# Altium PCB roach2.PcbDoc (part 20 of 39) (continued)
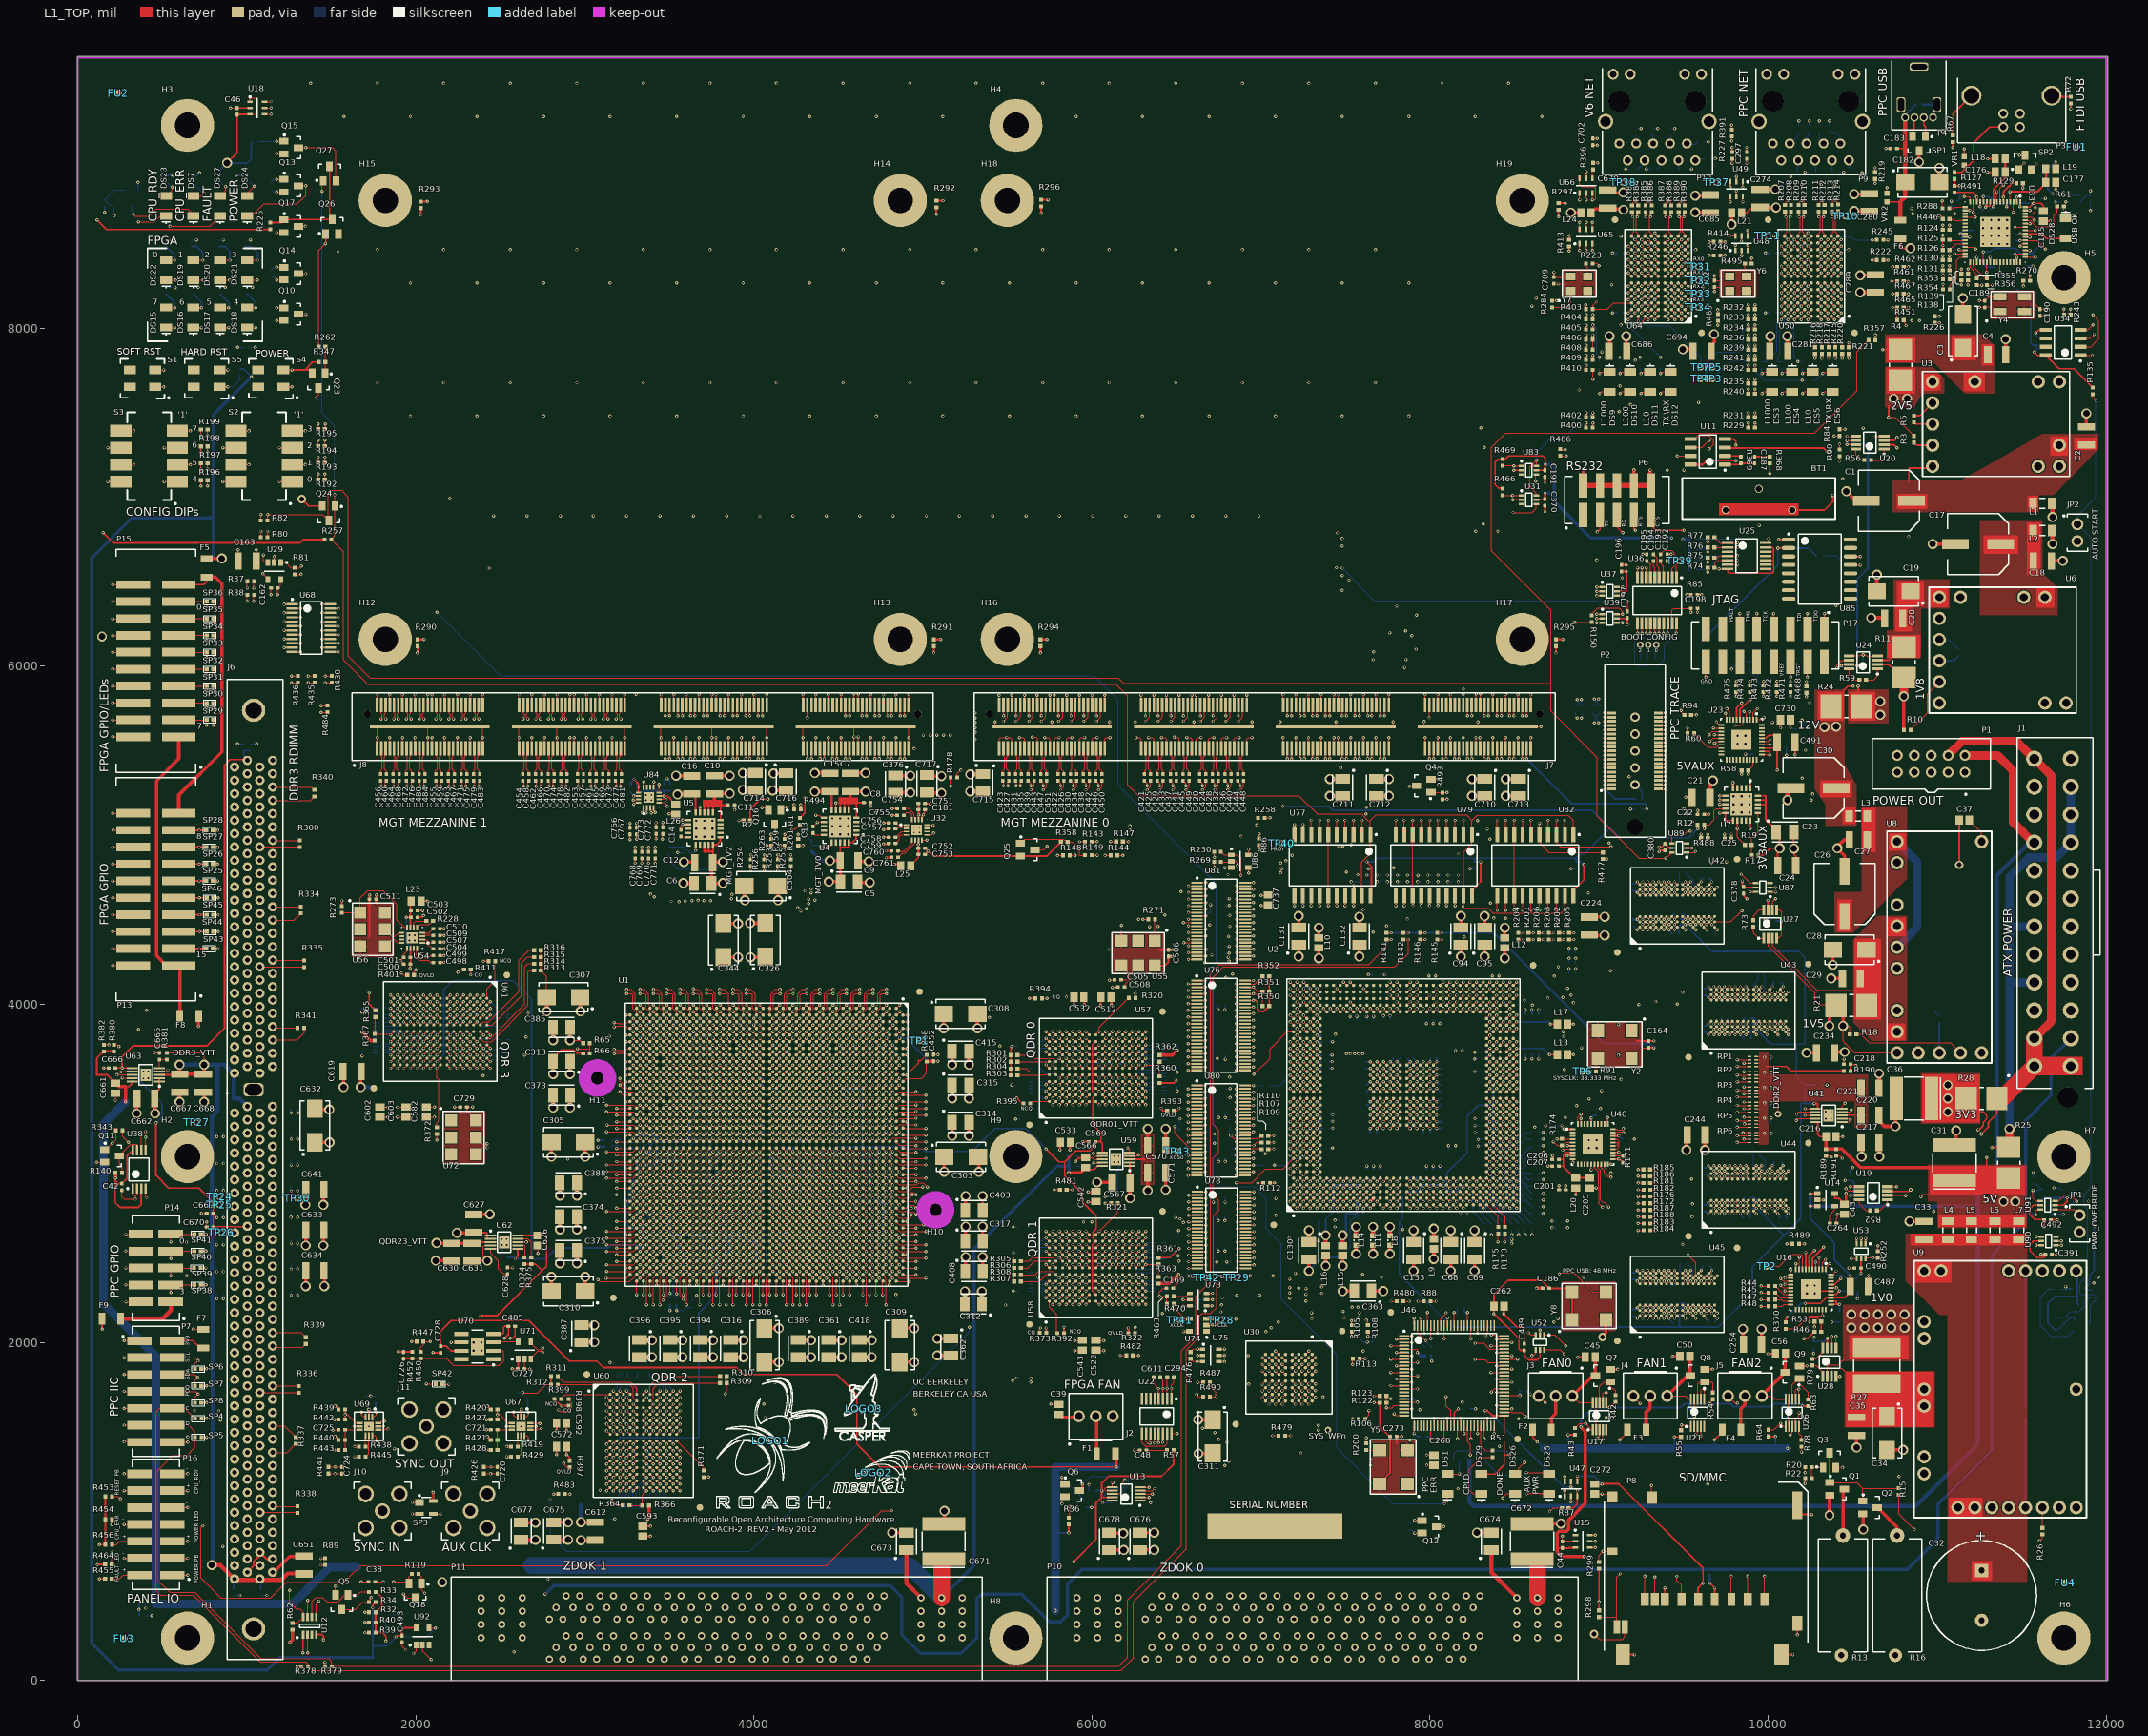
[diagram p0: L1_TOP view]
## Nets (pads, with @x,y where several pads share a name; then routed paths per layer and width w, separated by ;. In a path a pad name is that pad's centre, name@x,y a point inside that pad or via, vN(x,y) a via of type N, cw(c..) or ccw(c..) an arc to the next point about the centre after c; other vN are vias at no path point) (continued)
  L1_TOP w8: SP43.1@799.37,4330 v6(828,4330) ; SP25.1@799.37,4730 v6(828,4730) ; SP26.1@799.37,4830 v6(828,4830) ; SP27.1@799.37,4930 v6(828,4930) ; SP28.1@799.37,5030 v6(828,5030) ; SP44.1@802.37,4430 v6(831,4430) ; SP45.1@802.37,4530 v6(831,4530) ; SP46.1@802.37,4630 v6(831,4630) ; C46.1@942.99,9302.68 943.31,9302.99 U18.2@1019.68,9302.99 ; C313.2@2811.81,3662.99 2811.81,3681.89 2861.92,3732 2933,3732 2955,3710 R66.1@2990.32,3710 ; U32.13@4993.52,5093.02 4993.52,5111.52 v3(5002.99,5120.99) 5002.99,5122.99 5010.99,5130.99 5010.99,5151.31 C181.1@5012.68,5152.99 ; C753.1@5012.68,4887.99 v3(5030.99,4906.31) 5014.31,4922.99 C752.1@5012.68,4922.99 ; v2(8436.99,2168.99) 8516.3,2089.68 8556,2089.68 8557,2088.68 C489.1@8557,1991.68 ; v2(8573.13,1103.94) DS25.1@8702.99,1103.94 ; C44.1@8782.99,822.68 8783.31,822.99 U15.2@8859.68,822.99 ; U25.7@9760.79,6576.22 9760.79,6560.21 9771,6550 10024,6550 10032,6558 10032,6600 ; U25.9@9985.2,6601.81 10030.19,6601.81 10032,6600 ; U25.10@9985.2,6627.4 10031.6,6627.4 10032,6627 ; U25.12@9985.2,6678.58 10029.42,6678.58 10032,6676 ; U25.13@9985.2,6704.17 10024.83,6704.17 10032,6697 10032,6676 ; v1@11287.31,8721.31 11287.62,8720.99 11308.99,8720.99 11312.99,8724.99 U33.10@11312.99,8746.67 ; v2(11298.99,8922.99) C176.1@11343.46,8922.99 ; v2(11583,7972) 11601,7990 U34.5@11642.64,7990 ; 10032,6600 10032,6627 ; 10032,6627 10032,6676
  L1_TOP w10: v2(1267.93,7752.99) 1342.99,7752.99 ; v14(1325,6990) 1366.69,6948.31 Q24.2@1447.6,6948.31 ; Q23.2@1387.6,7733.31 1367.91,7752.99 1342.99,7752.99 ; U12.4@1411.38,271.42 1444.58,271.42 1454.65,261.35 v2(1454.65,239.33) ; R347.1@1425.32,7800 1390,7800 1342.99,7752.99 ; R273.1@1562.99,4581.68 v2(1562.99,4611.99) ; 1726.31,4398.13 C511.1@1726.31,4622.99 v3(1726.31,4647.31) v3@1726.31,4649.86 ; v2(1896,1945) 1897.32,1943.68 R452.1@1980,1943.68 ; v2@1908.99,4256.99 v2(1909.12,4256.99) ; C500.1@1928.31,4237.8 v2(1909.12,4256.99) ; C501.1@1928.31,4277.8 1928.31,4276.18 v2(1909.12,4256.99) ; C502.1@2010.68,4514.31 2034.99,4514.31 v2(2045.69,4525) ; C503.1@2010.68,4554.31 2034.99,4554.31 2035.69,4555 v2(2040.34,4555) ; v2(2103,1940) 2104.69,1938.31 C728.1@2147,1938.31 ; 2263.31,3353.31 C729.1@2263.31,3392.99 ; v2(2560,2025) 2574,2025 2587.37,2038.37 C485.1@2587.37,2096 ; R312.2@2800.31,1750 R311.2@2800.31,1800 ; v2(2832.99,1336.99) C572.1@2832.99,1382.99 ; v2(2833.46,1476.99) C592.1@2833.46,1522.99 ; v2(3290.99,5331.02) 3316.97,5305.05 U84.13@3316.97,5252.52 ; C593.1@3342.99,912.52 v2(3388.99,912.52) ; v3(4690.99,5170.99) C8.1@4690.99,5187.31 ; v3(5030.99,4906.31) 5059.7,4877.6 Q25.2@5576.69,4877.6 5733.91,4877.6 R358.1@5816.31,4960 ; C452.1@5062.99,3702.68 v2(5087.68,3702.68) v2@5087.99,3702.99 ; R303.2@5520.31,3580 R304.2@5520.31,3620 R302.2@5520.31,3660 R301.2@5520.31,3700 5520.31,3745.31 v2(5525,3750) ; v2@5900.99,3068.99 5924.52,3092.52 C566.1@5962.99,3092.52 ; 7802.68,1402.68 C273.1@7802.68,1442.99 ; v2(8436.99,2168.99) C262.1@8436.99,2200.99 ; v2@8495,6985 U31.2@8541.69,6985 ; v2(8496,7160) U83.2@8541.69,7160 ; v2(8680,6915) C370.1@8680,6950.32 ; v2(8680,7085) C191.1@8680,7120.32 ; v2(8698.99,3043.31) 8699.31,3042.99 C207.1@8722.99,3042.99 ; C206.1@8725.31,3080.99 8725.31,3104.68 v3@8725.62,3104.99 ; C201.1@8763.31,2902.99 8763.31,2926.68 v3(8763.62,2926.99) ; C205.1@8942.99,2913.46 8983.74,2913.46 v3(8983.9,2913.62) ; v2(9008.83,3382.84) v2@9008.99,3382.68 ; C679.1@9050.99,8817.14 9065.14,8802.99 v5(9142.99,8802.99) ; C196.1@9133,6599.68 9160.32,6599.68 v2(9161,6599) ; P8.SH2@9141.89,153.03 v2(9209.68,153.03) ; C197.1@9167,6324.68 v2(9167,6384) ; v2(9208.52,3203.15) v2@9208.68,3202.99 ; 9222.68,3782.68 C164.1@9292.99,3782.68 ; C164.1@9288.99,3782.99 v2(9323.99,3782.99) ; P6.10@9302.99,7073.54 P6.10@9306.14,7070.39 ; v3(9355,4905) 9360.31,4910.31 C380.1@9390,4910.31 ; P8.6@9388.94,480 v2(9388.94,547.79) ; v2(9512.53,5224.99) C21.1@9536.06,5224.99 ; U89.2@9518.31,4925 v3(9550,4925) ; v2@9654.69,575 9657,575 v2(9684.21,547.79) P8.3@9684.21,480 ; U11.4@9745.36,7344 9795.76,7344 9809.21,7330.55 v2(9809.21,7309.26) ; v2(9817.4,5039.99) U7.12@9817.4,5087.52 ; C378.1@9855,4655.31 9855,4645 v3(9875,4625) ; v2(10073.46,5635.46) C730.1@10073.46,5682.99 ; P8.SH1@10078.9,153.03 v2(10146.68,153.03) ; C23.2@10151.18,5020 10151.18,4923.62 v5(10153.54,4921.26) 10153.54,4887.54 10163.15,4877.94 C24.1@10163.15,4820 ; v2(10160.14,5476.16) C491.1@10160.14,5550 ; v2(10173.58,269.5) P8.SH3@10173.58,337.28 ; P8.SH4@10190.12,982 v2(10257.91,982) ; U16.41@10252.99,2312.99 10262.83,2303.15 U16.35@10372.09,2303.15 ; v10(10411.18,2757.99) 10411.65,2758.46 C43.1@10452.99,2758.46 ; C487.1@10593.15,2330 v2(10593.15,2395.43) ; R5.1@10862.99,7482.68 10897.68,7482.68 U3.7@10972.99,7557.99 ; v2(11093,9069.53) R67.1@11093,9101.31 ; v14(11130,4825) 11130.47,4825.47 C37.2@11130.47,5090 ; VR1.1@11160,9015.59 v2(11160,9060.38) ; v3(11488.21,9023.31) SP2.3@11520,9023.31 ; C492.1@11671.68,2725 11710,2725 v2(11711,2724) ; U91.2@11697.31,2811 11747,2811 11769.09,2833.09 v2(11769.09,2855) ; v2(11790,9298.53) R72.1@11790,9330.31
  L1_TOP w12: v2(2010,6079.06) R290.1@2010,6119.06 ; v2(2030,8670.31) R293.1@2030,8710.31 ; C631.1@2376.99,2482.09 2377.89,2482.99 v5(2422.99,2482.99) ; C751.1@5006.99,5186.99 v3(5042.99,5186.99) ; v2(5065,6079.06) R291.1@5065,6119.06 ; v2(5080,8675.31) R292.1@5080,8715.31 ; C403.2@5352.99,2801.18 v5@5352.99,2855 ; v2(5695,6079.06) R294.1@5695,6119.06 ; v2(5700,8680.31) R296.1@5700,8720.31 ; v2@5811.02,3141.23 C533.1@5811.02,3173.23 ; v2@5948.63,3187.24 C569.1@5980.63,3187.24 ; v2@5954.99,3998.99 C532.1@5954.99,4030.99 ; v2@5979.81,2889.76 C542.1@6011.81,2889.76 ; v2@6050.99,3994.99 C512.1@6050.99,4026.99 ; U55.3@6172.99,4390.99 6172.99,4426.99 ; 6401.31,4322.68 C506.1@6452.99,4322.68 ; C506.1@6460.99,4322.99 v2(6476.99,4322.99) ; v2(8745,6079.06) R295.1@8745,6119.06 ; v2(8760,8660.31) R297.1@8760,8700.31 ; v2(8873.44,1912.99) C45.1@8918.46,1912.99 ; Q7.2@9066.3,1840.39 v2(9111.32,1840.39) ; v2(9433.44,1917.99) C50.1@9478.46,1917.99 ; Q8.2@9626.3,1840.39 v2(9671.32,1840.39) ; v2(9998.44,1932.99) C56.1@10043.46,1932.99 ; Q9.2@10186.3,1860.39 v2(10231.32,1860.39) ; v1(11507.68,8830.31) R129.1@11507.68,8857.99 ; C185.1@11627.99,8633.46 v2(11669.46,8633.46) ; v2(11702.52,8820.99) C177.1@11702.52,8863.31
  L1_TOP w20: v5(349.35,3354.14) C662.1@349.35,3409.14 ; v5(603.35,3422.99) C667.1@603.35,3477.99 ; v5(748.35,3422.99) C668.1@748.35,3477.99 ; J6.239@1160,640 1252.99,732.99 C651.1@1342.99,732.99 ; C632.2@1402.4,3377.99 v5(1487.99,3377.99) ; v5(1452.99,2572.99) C633.1@1452.99,2658.58 ; v5(1453.35,2812.99) C641.1@1453.35,2898.58 ; v5(1458.35,2332.99) C634.1@1458.35,2418.58 ; v5(1572.63,3509.4) C619.1@1572.63,3594.99 ; v2(1683.31,3834.68) 1732.67,3785.31 R367.2@1757.56,3785.31 ; v5(2117.99,2482.99) C630.1@2203.58,2482.99 ; C627.1@2352.4,2757.99 v5(2437.99,2757.99) ; C677.2@2622.99,934.17 v5(2708.58,934.17) ; v5(2774.99,3958.99) C307.2@2774.99,4044.58 ; C310.2@2802.99,2302.05 v5(2802.99,2387.64) ; v5(2802.99,3098.35) C305.2@2802.99,3183.94 ; v11(2812.99,3387.99) C373.2@2812.99,3473.58 ; v11(2812.99,3587.99) C313.2@2812.99,3673.58 ; v11(2812.99,3787.99) C385.2@2812.99,3873.58 ; C675.2@2815.99,935.17 v5(2901.58,935.17) ; v11(2852.99,2467.99) C375.2@2852.99,2553.58 ; v11(2852.99,2667.99) C374.2@2852.99,2753.58 ; v11(2852.99,2867.99) C388.2@2852.99,2953.58 ; C387.2@2970.52,2101.09 v11(3056.11,2101.09) ; v5(2977.4,829.84) C612.1@3062.99,829.84 ; C396.2@3312.4,1912.99 v11(3397.99,1912.99) ; v3(3371.31,953.31) 3379.69,961.69 R366.2@3379.69,1035 ; C395.2@3502.99,1912.99 v11(3577.99,1912.99) ; v5(3539.4,5352.99) C16.1@3624.99,5352.99 ; v5@3597.06,4716.3 C6.2@3642.06,4716.3 ; v5@3598.09,4842.99 C12.1@3643.09,4842.99 ; C394.2@3672.4,1912.99 v11(3757.99,1912.99) ; C10.1@3771.4,5352.14 v5(3856.99,5352.14) ; C344.2@3847.74,4478.68 v5@3892.74,4478.68 ; C316.2@3852.4,1912.99 v11(3937.99,1912.99) ; v11(3933.99,5267.99) C714.2@4019.58,5267.99 ; v5@3944.99,4603.79 C304.2@3944.99,4686.79 ; v5@3991.24,4479.3 C326.2@4036.24,4479.3 ; C306.2@4062.4,1882.99 v5(4147.99,1882.99) ; v5@4114.99,5267.99 4123.99,5267.99 4125.99,5265.99 C716.2@4211.58,5265.99 ; C389.2@4252.4,1912.99 v11(4337.99,1912.99) ; v5(4360.99,5367.99) C15.1@4446.58,5367.99 ; C361.2@4432.4,1912.99 v11(4517.99,1912.99) ; C7.1@4575.4,5367.99 v5(4660.99,5367.99) ; C418.2@4612.4,1912.99 v11(4697.99,1912.99) ; C9.1@4624.89,4844.99 v5@4669.89,4844.99 ; C5.2@4629.89,4721.06 v5@4674.89,4721.06 ; v5(4817.4,874.17) C673.2@4902.99,874.17 ; C376.2@4840.4,5252.99 v5(4925.99,5252.99) ; C309.2@4862.4,1882.99 v5(4947.99,1882.99) ; C717.2@5024.4,5249.99 v5(5109.99,5249.99) ; v5(5084.99,1922.99) C362.2@5170.58,1922.99 ; C671.2@5127.99,917.76 v5(5127.99,1003.35) ; C312.2@5248.89,2216.2 v11(5248.89,2301.79) ; v5(5272.99,3222.99) C314.2@5272.99,3308.58 ; v5(5272.99,3442.99) C315.2@5272.99,3528.58 ; v5(5272.99,3642.99) C415.2@5272.99,3728.58 ; v11(5279.99,5259.99) C715.2@5365.58,5259.99 ; v5(5322.99,3858.35) C308.2@5322.99,3943.94 ; v5(5330.98,3007.87) C303.2@5330.98,3065.87 ; C408.2@5352.99,2419.41 v5(5352.99,2505) ; C317.2@5352.99,2599.41 v5(5352.99,2685) ; v11@6043.31,2947.09 C567.1@6120.16,2947.09 ; C678.2@6098.99,870.99 v5(6184.58,870.99) ; C676.2@6282.99,874.17 v5(6368.58,874.17) ; R363.2@6395,2348.31 6459.68,2348.31 v2(6512.68,2401.31) ; R362.1@6400,3699.68 6475.06,3699.68 v8(6503.36,3727.99) ; v5(6436.14,2902.99) C571.1@6436.14,3002.99 ; C570.1@6436.14,3162.99 v5(6436.14,3262.99) ; v5(6629.99,1342.99) C311.2@6715.58,1342.99 ; C131.2@7222.99,4467.52 v5@7222.99,4512.99 ; v5@7282.99,2442.99 C130.2@7282.99,2488.46 ; v11(7407.99,5232.99) C711.2@7493.58,5232.99 ; v5@7492.99,2302.99 C363.2@7538.46,2302.99 ; C132.2@7582.99,4462.52 v5@7582.99,4507.99 ; v1(7646.14,2833.07) U2.N2@7665.83,2852.76 ; C712.2@7672.4,5232.99 v11(7757.99,5232.99) ; v5@7902.99,2432.99 C133.2@7902.99,2478.46 ; v5@8122.99,2432.99 C68.2@8122.99,2478.46 ; C94.2@8182.99,4467.52 v5@8182.99,4512.99 ; v11(8247.99,5232.99) C710.2@8333.58,5232.99 ; v5@8262.99,2432.99 C69.2@8262.99,2478.46 ; v5(8277.4,874.17) C674.2@8362.99,874.17 ; C95.2@8322.99,4467.52 v5@8322.99,4512.99 ; v11(8447.99,5232.99) C713.2@8533.58,5232.99 ; v2(8630,2320) C186.1@8665.32,2320 ; C672.2@8687.76,927.99 v5(8773.35,927.99) ; v2(8906,7169) 8906.14,7168.86 P6.6@8906.14,7070.39 ; C224.1@8977.52,4517.99 v5@9022.99,4517.99 ; v14(9020,2032.09) 9020,2035 9040,2055 Y8.2@9040,2132.32 ; C686.1@9060.99,7897.52 v5@9060.99,7942.99 ; P6.9@9206.14,7070.39 v2(9206.14,7161.86) ; P6.10@9302.99,7073.54 v2(9302.99,7160.99) ; v5@9578.99,8784.99 C685.1@9624.46,8784.99 ; v5@9626.99,3147.99 C244.1@9626.99,3193.46 ; C694.1@9662.14,7862.99 9662.14,7897.26 9682.99,7918.11 9682.99,7962.99 v5(9680.99,7964.99) ; C274.1@9952.99,8821.14 9953.14,8820.99 v5(10042.99,8820.99) ; C254.1@9960.99,2023.52 v5@9960.99,2068.99 ; C281.1@10012.99,7897.52 v5@10012.99,7942.99 ; v5(10363.62,977.95) 10363.62,1083.62 Q1.2@10372.99,1092.99 ; v5(10372.99,4152.99) C29.1@10439.84,4152.99 C29.1@10442.99,4152.99 ; v5(10382.99,4232.99) C28.2@10382.99,4312.99 ; C234.1@10397.52,3717.99 v5@10442.99,3717.99 ; C26.2@10452.99,4786.85 10452.99,4878.99 v5(10408.99,4922.99) 10408.99,4932.99 10448.99,4972.99 C27.1@10479.84,4972.99 ; v5(10462.99,7035.46) 10515.46,6982.99 C1.2@10569.13,6982.99 ; v5@10518.99,8792.99 C280.1@10564.46,8792.99 ; v5(10523.62,1377.95) C35.1@10523.62,1444.88 ; v5@10554.99,8312.99 C289.1@10600.46,8312.99 ; v5(10562.99,892.99) Q2.2@10562.99,982.99 ; v5(10609.84,6286.99) C20.1@10689.84,6286.99 ; C19.2@10642.99,6460.99 v5(10642.99,6540.99) ; C220.1@10656.14,3342.99 10656.14,3309.84 10687.99,3277.99 v5(10752.99,3277.99) ; C221.1@10656.99,3510.99 v5(10656.99,3590.99) v5@10656.99,3600.99 ; v5(10657.99,3097.99) C217.1@10657.99,3187.99 ; C34.2@10708.66,1366.14 10711.22,1363.58 v5(10799.21,1363.58) ; v5@10752.99,3267.99 v5(10752.99,3277.99) ; C36.2@10752.99,3357.99 v5(10752.99,3277.99) ; v5(10836.99,2716.14) C33.1@10922.99,2716.14 ; v5@10892.99,8977.99 v5(10892.99,8982.99) SP1.3@10892.99,9049.68 SP1.3@10892.99,9063.58 ; v5(10972.99,6722.99) C17.2@11052.99,6722.99 ; C182.2@11012.99,8862.4 v5(11012.99,8947.99) ; C31.2@11112.99,3182.99 v5(11112.99,3252.99) ; C3.2@11152.99,8096.99 v5(11152.99,8176.99) ; C4.1@11404.99,7854.99 v5(11404.99,7934.99) ; C18.1@11672.99,6622.99 C18.1@11676.14,6622.99 v5(11742.99,6622.99) ; C2.1@11882.99,7416.14 v5(11882.99,7496.14)
  L1_TOP w25: v5@10114.17,5224.41 10114.17,5258.03 C30.2@10136.14,5280
  L1_TOP w30: P6.6@8906.14,7070.39 P6.7@9006.14,7070.39 P6.8@9106.14,7070.39 P6.9@9206.14,7070.39 P6.10@9306.14,7070.39
  L3_S w3.8: v2@110.8,3063.02 v2(110.8,3065.02) ; v2@153.34,3621.02 v2(153.34,3623.02) ; v2(222.96,3432.8) v2@224.96,3432.8 ; v3@339.37,2847.18 v3(341.37,2847.18) ; v2@452.8,3710.71 v2(452.8,3712.71) ; v2@733.12,2761.02 v2(733.12,2763.02) ; v2@761.34,2713.18 v2(763.34,2713.18)
  L9_R w5: v2(6786,1272) 6786,914 7146,554 8814,554 8860,508 9692,508 9744,560 10368,560 10898,1090 11255.98,1090 U9.16@11322.99,1022.99
  L16_BOT w5: v8(823.31,2257.99) C636.1@823.31,2282.99 ; v8(823.31,2417.99) C635.1@823.31,2442.99 ; v8(823.31,2577.99) C640.1@823.31,2602.99 ; v8(823.31,2737.99) C642.1@823.31,2762.99 ; v8(823.31,2897.99) C638.1@823.31,2922.99 ; v8(823.31,3057.99) C637.1@823.31,3082.99 ; v8(823.31,3217.99) C639.1@823.31,3242.99 ; C652.1@883.31,3442.99 v2(883.31,3474.99) ; v2@883.31,3466.68 v2(883.31,3474.99) ; C653.1@883.31,3502.99 v2(883.31,3474.99) ; C654.1@922.99,503.31 v2(959.31,503.31) ; v2(946.68,5541.02) C664.1@982.99,5541.02 ; R92.1@1018.68,7886.99 1050.99,7886.99 v2(1051.39,7886.59) ; C663.1@1022.99,5541.02 v2(1059.31,5541.02) ; C655.1@1082.99,503.31 v2(1119.31,503.31) ; R460.1@1142.99,8303.31 1159.71,8303.31 v2(1177.42,8285.59) ; R458.1@1142.99,8823.31 1160.71,8805.59 v2(1177.42,8805.59) ; v8(1302.68,2277.99) C650.1@1302.68,2302.99 ; v8(1302.68,2432.28) C649.1@1302.68,2457.28 ; v8(1302.68,2586.56) C648.1@1302.68,2611.56 ; v8(1302.68,2740.85) C647.1@1302.68,2765.85 ; v8(1302.68,2895.13) C646.1@1302.68,2920.13 ; v8(1302.68,3049.42) C645.1@1302.68,3074.42 ; v8(1302.68,3203.71) C644.1@1302.68,3228.71 ; v8(1302.68,3357.99) C643.1@1302.68,3382.99 ; v2(1683.31,3694.68) C620.1@1683.31,3722.99 ; v2(1683.31,3834.68) C621.1@1683.31,3862.99 ; v2(1683.31,3954.68) C622.1@1683.31,3982.99 ; C722.1@1702.99,1682.68 v2(1733.99,1682.68) C723.1@1762.99,1682.68 ; R349.2@1920,220.31 1920,202 v6(1940,182) ; C629.1@2503.31,2502.99 2503.31,2531.31 2509.99,2537.99 v2(2509.99,2575.56) ; C718.1@2602.99,1702.68 v2(2633.99,1702.68) C719.1@2662.99,1702.68 ; C623.1@2642.99,3672.99 v2(2642.99,3699.31) v2@2642.99,3701.31 ; C625.1@2652.68,3972.99 2654.99,3972.99 2664.99,3962.99 v2(2664.99,3948.06) ; v2(2652.99,3806.68) C624.1@2652.99,3834.99 ; v2(3147.68,1880.99) C614.1@3175.99,1880.99 ; C618.1@3149.55,955.49 v2(3177.86,955.49) ; C615.1@3342.99,953.31 v3(3371.31,953.31) ; C616.1@3342.99,1882.68 3367.68,1882.68 v11(3397.99,1912.99) ; v1(3483.35,3089.01) 3499.55,3105.21 3499.55,3155.13 R318.1@3494.68,3160 ; C617.1@3522.99,953.31 v2(3551.31,953.31) ; C613.1@3532.99,1882.68 3563.31,1912.99 v11(3577.99,1912.99) ; v2@3548.99,4896.99 3549.99,4897.99 R9.1@3582.31,4897.99 ; v1(3719.57,3207.13) 3749.68,3177.02 R329.1@3749.68,3160 ; v1(4034.53,2616.57) 4051.26,2616.57 R326.1@4080,2645.32 ; v1(4034.53,3482.72) 4047.6,3482.72 R333.1@4080,3450.32 ; R327.1@4070,2799.68 4072.46,2797.22 4129.48,2797.22 v1(4152.65,2774.05) ; C321.1@4090.99,3366.14 4092.52,3364.61 v1(4113.28,3364.61) ; v2@4290.68,5022.68 R8.1@4322.99,5022.68 ; v1(4428.24,3128.38) 4449.68,3149.83 R331.1@4449.68,3165 ; v2(5527.12,3522.99) C555.1@5555.43,3522.99 ; v2(5534.68,2302.99) C562.1@5562.99,2302.99 ; v2(5534.68,2682.99) C561.1@5562.99,2682.99 ; v2(5535.68,2532.99) C565.1@5563.31,2532.99 C565.1@5563.99,2532.99 ; v2(5548.31,3322.31) C557.1@5576.62,3322.31 ; v3(6079.53,2862.99) C568.1@6113.31,2862.99 ; v8(6503.36,3487.99) C553.1@6503.36,3516.31 ; v8(6503.36,3597.99) C556.1@6503.36,3626.31 ; v8(6503.36,3727.99) C554.1@6503.36,3756.31 ; C564.1@6512.68,2372.99 v2(6512.68,2401.31) ; C563.1@6512.68,2632.99 v2(6512.68,2661.31) ; C560.1@6514.65,2452.99 v2(6514.65,2481.31) ; C53.1@6627.99,2252.68 6702.68,2252.68 ; v2(6717.99,2828.99) C742.1@6717.99,2852.99 ; v2(6723.99,3177.99) C749.1@6747.99,3177.99 ; C745.1@6737.99,2452.99 v2(6737.99,2476.99) ; v8(6746.86,3968.99) C738.1@6746.86,3992.99 ; v8(6748.86,3330.01) C748.1@6748.86,3354.01 ; C740.1@6782.04,3700 6790,3692.04 v2(6790,3675) ; v8(6786.33,2540.24) C736.1@6786.33,2564.24 ; v8(6786.33,2720.24) C734.1@6786.33,2744.24 ; v8(6788.23,3070.01) C750.1@6788.23,3094.01 ; C739.1@6792.99,3447.99 v2(6816.99,3447.99) ; C746.1@6794.99,4343.36 v8(6811.99,4343.36) ; C743.1@6794.99,4625.36 v8(6811.99,4625.36) ; C747.1@6798.99,4461.36 v2(6815.99,4461.36) ; v2(6856.68,2278.99) C733.1@6880.68,2278.99 ; v1@6954.99,3518.99 6955.99,3519.99 R95.1@7013.31,3519.99 ; v1@6958.99,3048.99 6959.99,3047.99 R93.1@7011.31,3047.99 ; v1(7007.87,1673.23) 7007.87,1675.2 C168.1@7027.56,1694.88 ; v1(7007.87,1909.45) C167.1@7027.56,1929.13 ; C735.1@7047.24,2392.99 v2(7071.24,2392.99) ; v1(7125.98,1633.86) 7125.98,1631.89 C166.1@7137.8,1620.08 ; v2@7445.5,2682.99 v2(7437.99,2682.99) C77.1@7462.99,2682.99 ; v2@7445.5,2722.99 v2(7437.99,2722.99) C78.1@7462.99,2722.99 ; v2@7635.31,4803.31 C732.1@7662.99,4803.31 ; R448.1@7875.43,889.88 7892.15,889.88 v2(7909.87,872.17) ; v2@7987.31,4764.68 R111.1@8014.99,4764.68 ; v2@8167.31,4764.68 R115.1@8194.99,4764.68 ; v2@8235.31,4803.31 C741.1@8262.99,4803.31 ; v2@8835.31,4803.31 C744.1@8862.99,4803.31 ; v2(8862.36,4210.99) 8862.68,4210.68 R238.1@8862.68,4182.99 ; v2(8862.36,4270.99) 8862.68,4270.68 R250.1@8862.68,4242.99 ; v2(8862.36,4330.99) 8862.68,4330.68 R251.1@8862.68,4302.99 ; C777.1@8952.99,1543.31 v2(8983.31,1543.31) ; C200.1@8982.99,3382.68 9010.68,3382.68 v2@9010.99,3382.99 ; v2(9158.8,8942.99) SP23.1@9183.62,8942.99 ; C199.1@9182.68,3202.99 9210.36,3202.99 v2@9210.68,3203.31 ; C705.2@9212.99,8819.68 v1(9212.99,8844.5) ; SP24.1@9222.99,9182.36 v2(9247.81,9182.36) ; v8(9278.8,8942.99) SP21.1@9303.62,8942.99 ; R345.1@9290,6002.31 R344.1@9248,6002.31 9224.68,6002.31 9211,6016 9211,6150 9228,6167 9398,6167 9406,6175 9406,6194.49 v2(9406.97,6195.46) ; C706.2@9292.99,8821.68 v1(9292.99,8846.5) ; SP22.1@9322.99,9182.36 v2(9347.81,9182.36) ; C707.2@9408.99,8821.68 v1(9408.99,8846.5) ; SP20.1@9422.99,9182.36 v2(9447.81,9182.36) ; C227.1@9484.68,4536.1 9499.89,4536.1 9511.38,4524.6 v4@9511.38,4504.6 ; C708.2@9488.99,8821.68 v1(9488.99,8846.5) ; SP19.1@9522.36,8942.99 v2(9547.18,8942.99) ; C778.1@9532.99,1563.31 v2(9563.31,1563.31) ; SP18.1@9622.36,9102.99 v8(9647.18,9102.99) ; v4(9635.83,4440.94) 9648.01,4428.76 C364.1@9648.01,4411.92 ; SP17.1@9662.36,9002.99 v8(9687.18,9002.99) ; C247.1@9758.01,2955.02 9758.01,2970.01 9770.28,2982.28 v4(9773.62,2982.28) ; C775.1@9809.21,7282.68 v2(9809.21,7309.26) ; C251.1@9893.84,2956.99 9919.13,2982.28 v4(9931.1,2982.28) ; C203.1@10018.68,3211.99 v8@10018.68,3236.68 ; C202.1@10018.68,3301.99 v8@10018.68,3326.68 ; C204.1@10018.68,3391.99 v8@10018.68,3416.68 ; C208.1@10018.68,3481.99 v8@10018.68,3506.68 ; C209.1@10018.68,3571.99 v8@10018.68,3596.68 ; C210.1@10018.68,3661.99 v8@10018.68,3686.68 ; v4(10057.09,3820.87) 10071.3,3806.65 C239.1@10071.3,3790.04 ; C779.1@10092.99,1563.31 v2(10123.31,1563.31) ; C298.2@10117.99,8823.68 v1(10117.99,8848.5) ; v8(10133.62,8898.17) SP15.1@10133.62,8922.99 ; SP16.1@10182.99,9202.36 v8(10182.99,9227.18) ; C299.2@10197.99,8823.68 v1(10197.99,8848.5) ; v2(10202,5682) 10209.68,5674.32 C731.1@10209.68,5630 ; v8(10218.8,8922.99) SP13.1@10243.62,8922.99 ; SP14.1@10242.99,9202.36 v8(10242.99,9227.18) ; SP12.1@10302.99,9202.36 v8(10302.99,9227.18) ; C300.2@10314.99,8823.68 v1(10314.99,8848.5) ; C219.1@10322.68,3522.99 C219.1@10322.99,3522.68 ; C219.1@10323.31,3522.99 v2(10347.99,3522.99) ; C776.1@10324.33,6654.8 10401.18,6654.8 10456.18,6599.8 v2(10546.3,6599.8) ; SP10.1@10362.99,9202.36 v8(10362.99,9227.18) ; C301.2@10395.99,8823.68 v1(10395.99,8848.5) ; SP11.1@10422.36,8922.99 v8(10447.18,8922.99) ; v2(10467.33,7361.38) 10492.09,7361.38 C49.1@10497.99,7355.47 ; SP9.1@10532.36,8919.99 v8(10557.18,8919.99) ; U8.8@10762.99,3962.99 10978.69,3962.99 R23.1@11012,3929.69 ; U6.7@11012.99,6157.99 11067.69,6157.99 R14.1@11126,6099.68 ; C170.1@11612.68,8767.99 v2(11639.26,8767.99) ; C494.1@11931,2387.32 11933.32,2385 v6(11952,2385)
  L16_BOT w8: v13(9865,5480) C51.1@9910.47,5480 ; v2(10109.53,5474) C52.1@10109.53,5520 ; v8(10270,1934) C57.1@10270,1963.32 ; C47.1@10483,2997.69 10483,3015 v2(10501,3033) ; v2(11583,7972) 11590,7965 C188.1@11590,7939.69